# Altium PCB V5_CORE_V1.6.PcbDoc (part 2 of 3) (continued)
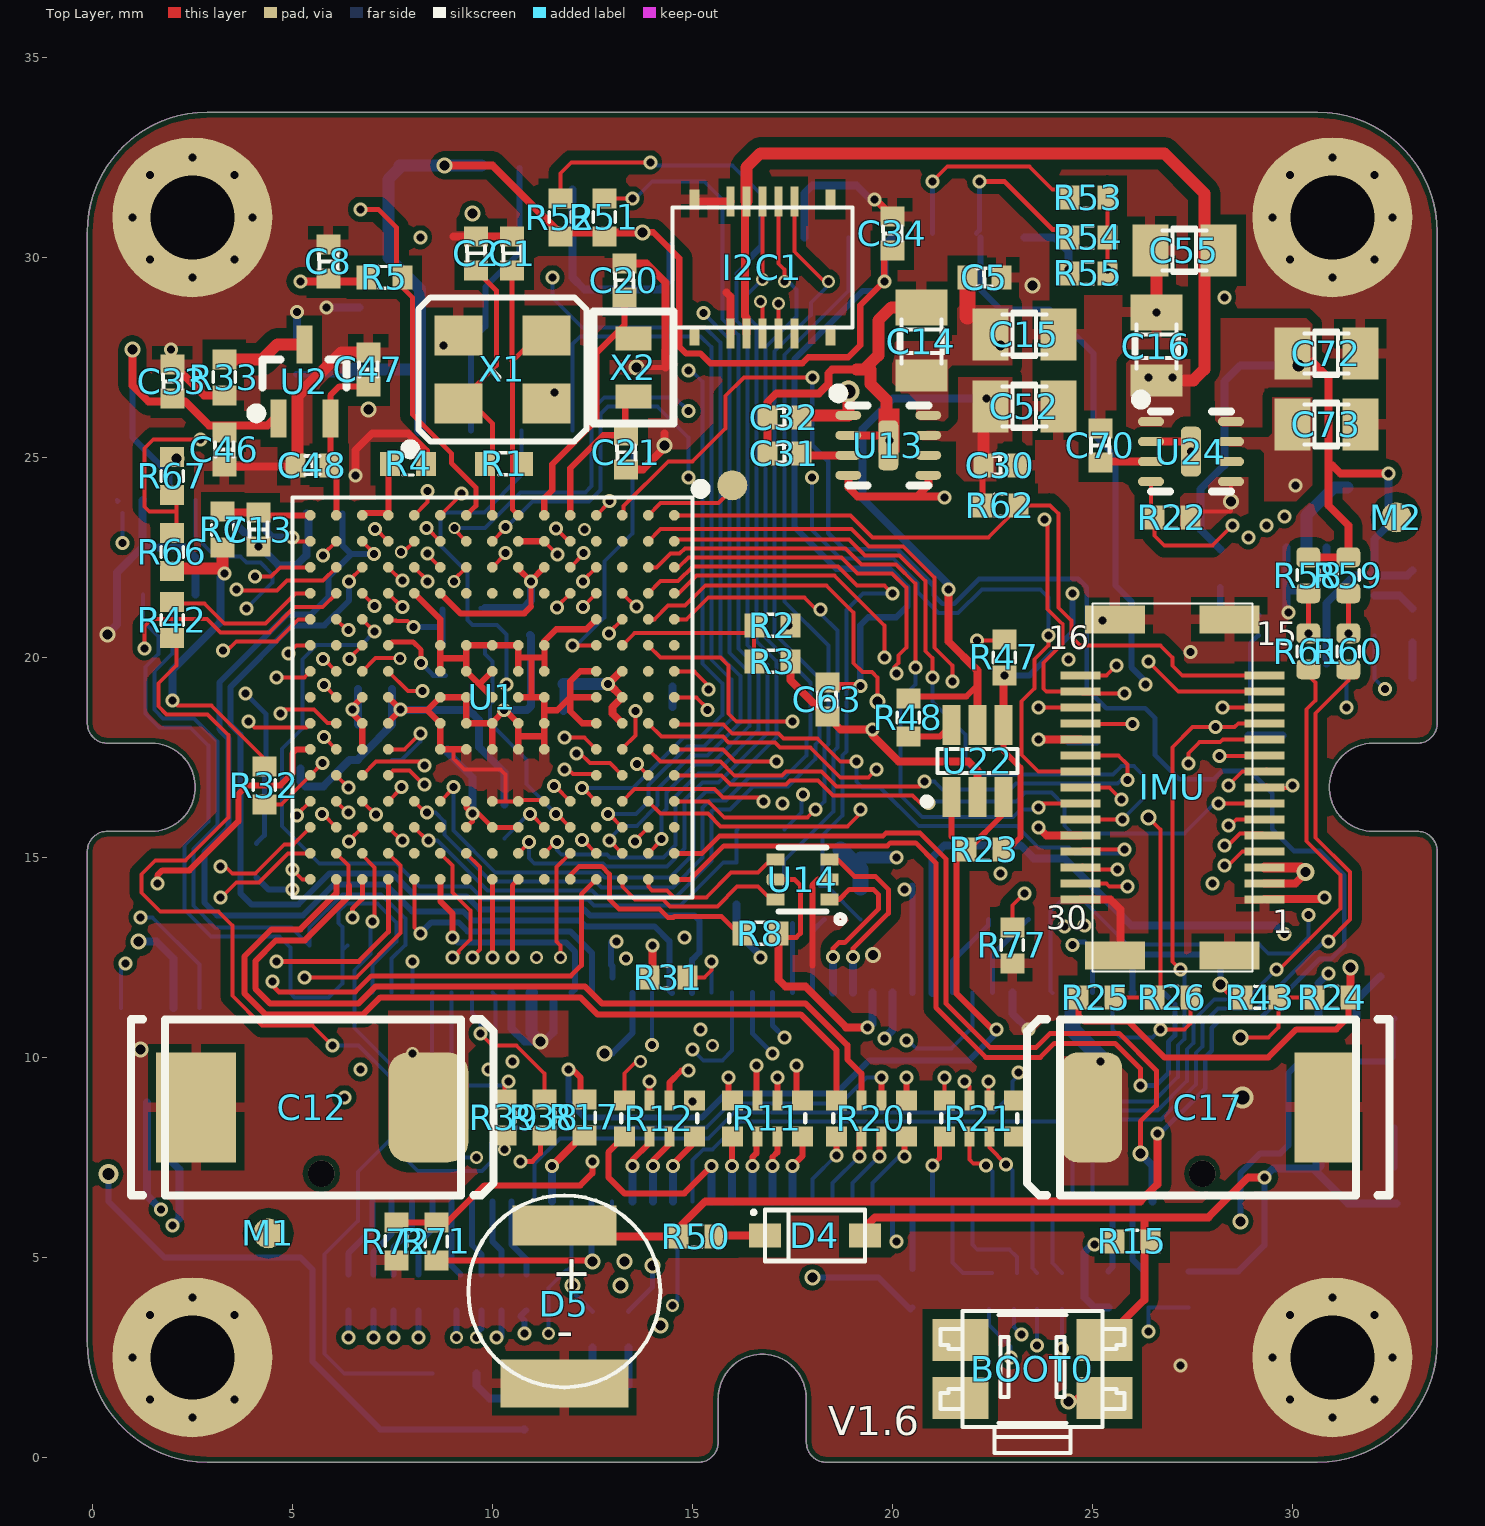
[diagram p0: Top Layer view]
## Nets (pads, with @x,y where several pads share a name; then routed paths per layer and width w, separated by ;. In a path a pad name is that pad's centre, name@x,y a point inside that pad or via, vN(x,y) a via of type N, cw(c..) or ccw(c..) an arc to the next point about the centre after c; other vN are vias at no path point) (continued)
  S2 w0.1: v3(16.7,28.9) 16.1,28.3 16.1,22.3 17,21.4 18,21.4 v1(18.2,21.2)
  Bottom Layer w0.1: R44.1@17.298,14.286 17.298,14.913 18.525,16.141 18.525,17.162 18.525,17.638 18.626,17.739 18.626,20.674 18.2,21.1 v1(18.2,21.2)
I2C1_SDA: I2C1.4 R30.1 R37.1 U1.B4 | length 27.9
  Top Layer w0.1: U1.B4@13.9,21.6 14.21,21.91 14.648,21.91 15.013,22.275 18.643,22.275 19.118,21.8 19.8,21.8 v1(20,21.6) ; v3@17.1,28.9 v3(17.15,28.85) I2C1.4@17.15,28.1
  S2 w0.1: v3(17.15,28.85) 17.127,28.85 16.4,28.123 16.4,22.318 17.093,21.625 19.975,21.625 v1(20,21.6)
  Bottom Layer w0.1: R37.1@18.198,14.286 18.364,14.286 R30.1@19.2,13.45 ; R37.1@18.25,14.4 18.25,15.547 18.75,16.047 18.75,17.255 18.75,17.545 18.851,17.646 18.851,21.18 19.271,21.6 v1(20,21.6)
I2C2_SCL: R15.1 R57.1 U1.H3 U4.1 | length 63.3
  Top Layer w0.1: U1.H3@10,22.25 v1@10.333,22.583 ; v1(25.05,5.325) 25.475,5.325 R15.1@25.55,5.4
  S2 w0.1: v1(10.333,22.602) 10.123,22.602 9.85,22.875 9.85,23.371 10.25,23.771 10.25,28.532 10.643,28.925 11.875,28.925 12.7,29.75 15.04,29.75 16.09,30.8 23.45,30.8 23.675,30.575 26.725,30.575 v1(28.3,29) 29.1,28.2 30.7,28.2 31.375,27.525 31.375,24.607 32.087,23.894 32.087,19.487 v1(31.35,18.75) 31.2,18.6 29.082,18.6 28.625,18.143 28.625,17.07 29.1,16.595 29.1,13.443 27.775,12.118 27.775,11.962 27.101,11.287 25.287,11.287 23.95,9.95 23.95,5.575 24.175,5.35 25.025,5.35 v1(25.05,5.325)
  Bottom Layer w0.1: v1(31.35,18.75) U4.1@31.35,19.55
  Bottom Layer w0.2: v1(25.05,5.325) 25,5.325 24.8,5.125 24.8,4 25.05,3.75 R57.1@25.4,3.75
I2C2_SDA: R16.1 R28.1 U1.E2 U4.16 | length 70.5
  Top Layer w0.1: v1(11.59,23.225) 11.915,22.9 U1.E2@11.95,22.9
  S2 w0.1: v1(11.59,23.225) 10.825,23.225 10.7,23.1 10.7,22.4 10.5,22.2 10,22.2 9.625,22.575 9.625,23.465 10.025,23.864 10.025,28.625 10.55,29.15 11.782,29.15 12.607,29.975 14.947,29.975 15.997,31.025 23.543,31.025 23.768,30.8 27.118,30.8 29.293,28.625 29.493,28.425 30.793,28.425 31.6,27.618 31.6,24.7 32.313,23.987 v1(32.313,19.213) 31.4,18.3 29.1,18.3 28.85,18.05 28.85,17.163 29.325,16.688 29.325,13.35 28.575,12.6 28.575,11.725 29.2,11.1 30.9,11.1 31.325,10.675 31.325,5.307 31.093,5.075 28.675,5.075 26.75,3.15 v1(26.4,3.15)
  Bottom Layer w0.1: v1(26.4,3.15) R28.1@26.4,3.75 R16.1@27.4,3.75 ; U4.16@32.05,20.55 32.05,19.475 v1(32.313,19.213)
I2C3_SCL: R58.1 R61.1 U1.N12 | length 33.8
  Top Layer w0.1: U1.N12@6.75,16.4 7.083,16.067 7.087,16.071 v1(7.098,16.071) ; R61.1@30.325,20.525 v1(30.4,20.6)
  Top Layer w0.125: v1(30.4,20.6) R58.1@30.4,21.6
  S2 w0.1: v1(7.098,16.071) 7.098,16.063 6.8,15.765 6.8,14.764 7.431,14.133 11.39,14.133 11.545,13.977 17.405,13.977 17.757,13.625 23.32,13.625 23.545,13.85 24.745,13.85 25.15,13.445 25.15,13.432 25.507,13.075 26.33,13.075 27.05,13.795 27.05,14.373 27.05,17.495 27.425,17.87 27.425,18.857 28.081,19.513 30.094,19.513 30.375,19.793 30.375,20.575 v1(30.4,20.6)
I2C3_SDA: R59.1 R60.1 U1.M12 | length 34.6
  Top Layer w0.1: U1.M12@7.4,16.4 v1@7.733,16.733
  Top Layer w0.125: v1(31.4,20.6) R59.1@31.4,21.6
  S2 w0.1: v1(7.733,16.752) 8.017,16.467 8.512,16.467 8.8,16.18 8.8,15.125 9.117,14.808 11.669,14.808 11.825,14.652 17.748,14.652 18.1,14.3 19.8,14.3 20.05,14.55 20.55,14.55 21,14.1 22.695,14.1 23.145,14.55 24.363,14.55 25.613,13.3 26.236,13.3 26.825,13.889 26.825,14.28 26.825,17.588 27.2,17.963 27.2,18.95 27.988,19.738 29.813,19.738 29.95,19.875 29.95,20.68 30.395,21.125 31.1,21.125 31.4,20.825 v1(31.4,20.6)
I2C4_SCL: R24.1 R43.1 U1.R7 | length 54.1
  Top Layer w0.1: v1(4.6,19.5) 5.3,19.5 U1.R7@5.45,19.65 ; v2(28.7,10.5) 29.4,10.5 29.65,10.75 R43.1@29.65,11.3 ; R43.1@29.65,11.5 R24.1@30.55,11.5
  S1 w0.1: v1(4.6,19.5) 3.7,19.5 3.475,19.275 3.475,15.725 3.8,15.4 3.8,14.105 3.345,13.65 3.342,13.65 3.125,13.433 3.125,7.921 3.737,7.308 3.737,6.208 5.163,4.783 5.163,2.583 5.833,1.913 11.258,1.913 12.5,3.154 12.5,4.37 13.03,4.9 v2(13.3,4.9)
  S2 w0.1: v2(13.3,4.9) 13.3,5.4 13.7,5.8 23.3,5.8 24.2,4.9 25.346,4.9 26.646,6.2 28.2,6.2 28.4,6.4 28.4,8.3 28.2,8.5 28.2,10 v2(28.7,10.5)
I2C4_SDA: R25.1 R26.1 U1.P7 | length 34
  Top Layer w0.1: v1@5.748,19.983 5.767,19.983 U1.P7@6.1,19.65 ; R25.1@25.55,11.5 R26.1@26.55,11.5 ; v2(26.4,16) 26.7,15.7 26.7,11.45 R26.1@26.55,11.3
  S2 w0.1: v1(5.773,19.958) 6.33,19.4 6.8,19.4 7,19.2 7,18.3 7.6,17.7 9.1,17.7 9.3,17.5 9.6,17.5 10,17.1 10,15.4 10.367,15.033 11.762,15.033 11.918,14.877 14.677,14.877 14.8,15 19.5,15 19.85,15.35 20.245,15.35 20.595,15 24.231,15 25.631,13.6 26.218,13.6 26.6,13.982 26.6,15.8 v2(26.4,16)
I2C_2_SCL: R57.2 U$9001.6 | length 1.8
  Bottom Layer w0.15: R57.2@25.4,4.65 25.502,4.752 U$9001.6@25.502,6.392
I2C_2_SDA: R28.2 U$9001.4 | length 1.9
  Bottom Layer w0.15: U$9001.4@26.002,6.392 26.002,4.948 R28.2@26.3,4.65
I2C_3_SCL: R61.2 U$9001.10 | length 17.9
  Top Layer w0.1: v1(29.6,12.2) 29.675,12.2 30.375,12.9 31.2,13.725 31.2,14.557 30.35,15.407 30.35,18.693 30.575,18.918 30.575,19.375 R61.2@30.325,19.625
  Bottom Layer w0.1: U$9001.10@24.507,6.4 24.507,8.025 25.157,8.675 26.629,8.675 27.363,9.408 27.363,10.196 27.525,10.358 27.525,10.925 28.05,11.45 28.85,11.45 v1(29.6,12.2)
I2C_3_SDA: R60.2 U$9001.8 | length 18.4
  Top Layer w0.1: v1(30.9,12.9) 31.446,13.446 31.446,14.629 30.575,15.5 30.575,18.6 31.4,19.425 R60.2@31.4,19.7 R60.2@31.6,19.5
  Bottom Layer w0.1: U$9001.8@25.007,6.4 25.007,8.207 25.25,8.45 26.722,8.45 27.588,9.315 27.588,10.103 27.75,10.265 27.75,10.832 28.143,11.225 29.12,11.225 30.795,12.9 v1(30.9,12.9)
I2C_4_SCL: R26.2 U$9001.5 | length 3.5
  Top Layer w0.1: v1(26.7,10.7) 27.3,10.7 27.45,10.85 R26.2@27.45,11.3
  Bottom Layer w0.1: U$9001.5@25.502,11.608 25.502,10.698 25.7,10.5 26.5,10.5 v1(26.7,10.7)
I2C_4_SDA: R43.2 U$9001.3 | length 4.4
  Top Layer w0.15: v2(28.2,11.825) R43.2@28.7,11.325
  Bottom Layer w0.15: U$9001.3@26.002,11.608 26.002,12.402 26.175,12.575 27.925,12.575 28.2,12.3 v2(28.2,11.825)
  Bottom Layer w0.2: U$9001.3@26.007,11.608 U$9001.3@26.007,11.616
I2C_SCL1_GPS: R44.2 U$9001.37 | length 1.7
  Bottom Layer w0.125: U$9001.37@17.507,11.616 R44.2@17.507,13.343
I2C_SDA1_GPS: R37.2 U$9001.35 | length 2
  Bottom Layer w0.125: U$9001.35@18.007,11.616 18.007,13.157 R37.2@18.3,13.45
IMU_3V3: C69.1 C72.1 R56.1 R58.2 R59.2 U4.2 U4.13 U24.8 | length 21.6
  Top Layer w0.2: C72.1@30.2,27.4 30.5,27.4 30.9,27 30.9,24.7 ; R58.2@30.4,22.5 R59.2@31.4,22.5 31.4,23.3 30.9,23.8 30.9,24.7 ; v1(32.4,24.6) 31.2,24.6 31,24.8 30.9,24.7
  Bottom Layer w0.2: R56.1@28.2,22.7 27.7,23.2 27.7,24.2 28.3,24.8 28.3,26.895 28.705,27.3 v4(30.15,27.3) ; U4.2@30.85,19.85 30.85,21.35 31.55,22.05 U4.13@32.05,22.05 ; v1(32.4,24.6) 32.4,23.3 32.05,22.95 U4.13@32.05,22.05 ; C69.1@33,22.175 32.875,22.05 U4.13@32.05,22.05
IO1_3V3: C30.1 C52.1 R48.1 R62.2 U13.7 U22.5 | length 16.3
  Top Layer w0.15: R48.1@20.4,18.975 20.45,19.025 21.856,19.025 22.131,19.3 ; R62.2@22.25,23.8 22.25,24.775 C30.1@22.275,24.8
  Top Layer w0.2: v1(21.4,21.7) 21.4,20.4 22.131,19.669 U22.5@22.131,18.308
  Top Layer w0.3: C30.1@22.275,24.8 C52.1@22.275,26.19
  Bottom Layer w0.2: v1(21.4,21.7) 21.4,21.825 19.25,23.975 19.25,25.701 20.024,26.475 v1(22.35,26.475)
IO-USART1_TX: R12.5 U$9001.46 | length 5
  Top Layer w0.15: R12.5@13.3,8.025 12.9,7.625 12.9,7 13.3,6.6 14.801,6.6 v1(15.487,7.286)
  Bottom Layer w0.2: U$9001.46@15.487,6.4 v1@15.487,7.186
MCU_3V3: BOOT0.A2 C5.2 C6.2 C7.2 C8.2 C9.2 C10.2 C11.2 C14.1 C15.1 C22.1 D4.A R2.2 R5.2 R7.2 R15.2 R16.2 R22.1 R24.2 R25.2 R29.2 R30.2 R31.2 R32.2 R66.2 R68.2 R75.2 R76.2 U1.C5 U1.C7 U1.C8 U1.C9 U1.F3 U1.G3 U1.G13 U1.H13 U1.J12 U1.J13 U1.K4 U1.N8 U1.N9 U1.N10 U5.6 U13.8 U24.5 | length 134.4
  Top Layer w0.1: v1(2,18.925) 2.125,18.8 2.975,18.8 4.3,17.475 R32.2@4.3,17.275 ; v1@6.425,18.675 6.45,18.7 v1(6.5,18.7) ; v1(10.967,21.898) v1@10.967,21.917 ; v1(12.898,19.333) v1@12.917,19.333 ; v1(12.917,20.598) 12.917,20.617 U1.C5@13.25,20.95 ; R22.1@27.45,23.5 27.6,23.65 28.45,23.65 28.467,23.667 v2(28.467,23.9) U24.5@28.467,24.392
  Top Layer w0.125: U1.J13@9.35,15.75 9.5,15.9 v1(9.5,16.1) 9.65,16.1 U1.H13@10,15.75 U1.G13@10.65,15.75 ; v1(10.967,21.898) 10.973,21.893 10.973,21.273 ; U1.C9@13.213,18.387 U1.C9@13.25,18.35
  Top Layer w0.15: U1.K4@8.7,21.6 9.2,21.1 10.8,21.1 10.973,21.273 ; U1.J12@9.35,16.4 9.35,16.25 v1(9.5,16.1) ; U1.G3@10.65,22.215 v1(10.967,21.898) ; v1@10.967,21.917 U1.F3@11.3,22.25 ; R25.2@24.65,11.5 24.65,11.05 24.8,10.9 25.9,10.9 26.8,10 29.4,10 30.1,10.7 31.1,10.7 31.4,11 31.4,11.45 R24.2@31.45,11.5
  Top Layer w0.154: v1@6.425,18.675 U1.N9@6.75,18.35 U1.N10@6.75,17.7 ; v1@6.45,18.7 U1.N8@6.75,19
  Top Layer w0.2: v1(5.2,29.4) 6.65,29.4 R5.2@6.75,29.5 ; v1(12.898,19.333) 13.215,19.65 U1.C7@13.25,19.65 ; v1@12.917,19.333 U1.C8@13.25,19 13,18.75 13,18.6 U1.C9@13.213,18.387 ; R31.2@13.875,11.85 14,11.975 v1(14,12.8) ; D4.A@19.114,5.542 19.572,6 26.3,6 ; BOOT0.A2@25.301,2.938 26.3,3.937 26.3,6 ; v1(29.3,7) 28.9,7 27.9,6 26.3,6 ; R24.2@31.45,11.5 v2(31.45,12.25)
  Top Layer w0.3: R66.2@2.1,22.225 3.175,22.225 v1(3.3,22.1) ; v1@3.262,22.238 R7.2@3.262,22.74
  Top Layer w0.4: 21.875,28.525 C5.2@21.875,29.5
  S2 w0.3: v1(12.898,19.333) 12.898,20.578 v1(12.917,20.598)
  S2 w0.4: v1(12.917,20.598) 13.63,20.598 13.808,20.775 17.375,20.775 v1(17.4,20.8) 17.9,20.3 19,20.3 19.5,20.8 21.6,20.8 23.5,22.7 25.4,22.7 26.6,23.9 ; v2(22.7,27.8) 24.4,27.8 26.6,25.6 26.6,23.9 ; v2(28.467,23.9) 26.6,23.9
  POWER w0.2: 4.7,25.1 4.7,29 5.1,29.4 v1(5.2,29.4) ; v2@28.467,23.8 v2(28.467,23.9) 28.467,24.367 28.8,24.7 30.7,24.7 31.2,24.2 31.2,22.5 30.6,21.9 29.4,21.9 29.2,21.7 29.2,16 29.5,15.7 30.7,15.7 31.4,15 31.4,11.5 31.2,11.3 29.6,11.3 29.3,11 v1(29.3,7)
  POWER w0.3: v1(14,12.8) 14,13.387 14.224,13.611 15.008,13.611 15.547,14.15 17.95,14.15 18.85,15.05 18.85,15.814 18.75,15.914 18.75,16.486 18.4,16.836 18.4,20.075 17.675,20.8 v1(17.4,20.8) ; 18.925,15.1 19.9,15.1 20.095,14.905 20.1,14.911 v1(20.1,15)
  Bottom Layer w0.1: R68.2@9.7,21.225 R68.2@9.7,21.236
  Bottom Layer w0.15: R16.2@27.4,4.65 28.65,4.65 29.3,5.3 v1(29.3,7)
  Bottom Layer w0.2: v1(2,18.925) 2,19.675 3.2,20.875 3.2,22 v1(3.3,22.1) ; C11.2@6.647,18.318 C7.2@6.647,19.207 ; C9.2@8.875,17.7 8.875,17.625 9.5,17 v1(9.5,16.1) ; R68.2@9.823,21.236 10.786,21.236 10.967,21.417 v1(10.967,21.898) ; C10.2@11.782,18.657 C6.2@11.782,19.333 ; v1(29.3,7) 29.525,7.225 C22.1@30.5,7.225 30.518,7.225 31.393,6.35 R76.2@32.6,6.35
  Bottom Layer w0.3: C6.2@11.782,19.333 v1(12.898,19.333) ; 19.05,14.85 19.1,14.9 19.105,14.895 19.211,15 v1(20.1,15) ; C22.1@30.65,7.3 U5.6@30.65,8.425
  Bottom Layer w0.4: R29.2@18.7,15.2 19.05,14.85 19.2,14.7 R30.2@19.2,14.25
NetC1_2: C1.2 R1.2 U1.G1 X1.3 | length 7.4
  Top Layer w0.125: C1.2@10.496,29.675 10.496,27.404 10.5,27.4 ; U1.G1@10.65,23.55 10.5,23.7 10.5,27.4 ; X1.3@11.525,27.925 11.025,27.925 10.5,27.4
NetC2_2: C2.2 R1.1 U1.H1 X1.1 | length 7.2
  Top Layer w0.125: X1.1@9.15,26.35 X1.1@9.325,26.525 ; C2.2@9.596,29.675 10.1,29.171 10.1,27.3 X1.1@9.325,26.525 ; U1.H1@10,23.55 10,25.85 X1.1@9.325,26.525
NetC3_1: C3.1 U1.M10 | length 2.1
  Top Layer w0.1: U1.M10@7.4,17.7 7.8,17.7 v1(8.2,18.1)
  Bottom Layer w0.1: C3.1@7.497,17.429 7.729,17.429 8.2,17.9 v1(8.2,18.1)
NetC4_1: C4.1 U1.F13 | length 1.4
  Top Layer w0.1: v1(10.948,16.083) 10.967,16.083 U1.F13@11.3,15.75
  Bottom Layer w0.1: C4.1@10.3,15.475 10.908,16.083 v1(10.948,16.083)
NetC18_2: C18.2 U4.14 | length 1.1
  Bottom Layer w0.2: U4.14@32.05,21.55 32.675,21.55 C18.2@33,21.225
NetC19_1: C19.1 U4.10 | length 2.1
  Bottom Layer w0.3: U4.10@30.35,22.75 30.35,23.55 31.05,24.25 C19.1@31.375,24.25
NetC31_1: C31.1 U13.3 | length 1.1
  Top Layer w0.2: C31.1@17.775,25.05 U13.3@18.9,25.05
NetC70_1: C70.1 U24.3 | length 1.2
  Top Layer w0.2: C70.1@25.217,24.892 U24.3@26.467,24.892
NetD1_2: D1.2 R40.2 | length 2.4
  Bottom Layer w0.2: D1.2@10.7,2.1 10.725,2.075 12.275,2.075 12.5,2.3 R40.2@12.5,2.75
NetD2_2: D2.2 R41.2 | length 5.3
  Bottom Layer w0.2: D2.2@9.6,2.1 9.6,1.8 9.925,1.475 13.075,1.475 13.4,1.8 R41.2@13.4,2.75
NetD3_2: D3.2 R42.2 | length 28.8
  Top Layer w0.1: R42.2@2.1,20.45 2.1,19.8 1.65,19.35 1.65,18.78 1.855,18.575 2.882,18.575 3.4,18.057 3.4,16 2.325,14.925 1.575,14.925 1.225,14.575 1.225,14.125 1.7,13.65 3.15,13.65 3.5,13.3 3.5,11.546 4.246,10.8 5.5,10.8 v1(6,10.3)
  Bottom Layer w0.1: v1(6,10.3) 6.662,10.3 7.45,9.512 7.45,8.95 7.447,8.947 7.45,8.945 7.45,7.95 6.638,7.137 6.638,5.902 5.8,5.064 5.8,2.6 6.3,2.1 D3.2@8.4,2.1 D3.2@8.5,2.1
NetD4_K: D4.K R50.2 | length 0.8
  Top Layer w0.2: 15.8,5.542 D4.K@16.614,5.542
NetR33_2: R33.2 U2.3 | length 2.1
  Top Layer w0.3: R33.2@3.4,27.45 4.25,27.45 4.625,27.825 U2.3@5.3,27.825
NetR49_2: R49.2 U3.3 U3.7 | length 7.1
  Bottom Layer w0.15: U3.7@9.465,25.675 9.465,27.915 9.825,28.275 9.825,29.256 10.675,30.106 R49.2@10.675,32.236
NetR76_1: R76.1 U5.4 | length 1
  Bottom Layer w0.15: R76.1@32.55,7.25 U5.4@32.55,8.25
NPOWER_IN_A: U1.M7 U$9001.55 | length 11
  Top Layer w0.1: U1.M7@7.4,19.65 7.899,19.151 v1(8.25,19.151)
  S1 w0.1: v1@8.25,19.2 v1(8.25,19.151) 8.25,18.931 9.923,17.259 9.923,14.841 10.639,14.125 11.875,14.125 v1(13.1,12.9)
  Bottom Layer w0.15: U$9001.55@13.001,12.001 13.001,12.279 12.968,12.312 12.968,12.867 v1@13.001,12.9
NPOWER_IN_B: U1.L15 U$9001.57 | length 7.1
  Top Layer w0.1: U1.L15@8.05,14.45 8.05,13.25 v1(8.2,13.1)
  Bottom Layer w0.15: v1(8.2,13.1) 8.475,13.375 9.155,13.375 9.38,13.15 11.952,13.15 12.49,12.612 U$9001.57@12.49,11.616
NPOWER_IN_C: U1.K15 U$9001.59 | length 5.8
  Top Layer w0.15: U1.K15@8.7,14.45 8.7,13.9 9,13.6 v1(9,13)
  Bottom Layer w0.15: v1(9,13) 9.125,12.875 11.838,12.875 12.062,12.65 12.062,11.697 U$9001.59@11.982,11.616
NRST: R5.1 U1.J1 U5.1 U$9001.7 | length 66.7
  Top Layer w0.125: v1(6.7,31.2) 7.15,31.2 7.6,30.75 7.6,29.4 8,29 8,26.075 8.975,25.1 8.975,24.857 9.588,24.245 9.588,23.788 U1.J1@9.35,23.55
  S1 w0.125: v1(6.7,31.2) 6.825,31.2 7.375,30.65 7.375,26.425 7.7,26.1 13.6,26.1 14.05,26.55 15.213,26.55 15.75,26.013 21.887,26.013 22.634,25.266 26.337,25.266 27.003,24.6 28.986,24.6 29.136,24.6 29.8,23.936 v1(29.8,23.525) ; v1@24.413,12.862 24.426,12.876 v1@24.501,12.876
  S1 w0.2: v1(24.501,12.801) 24.501,12.199 25.3,11.4 30,11.4 30.7,12.1 v1(30.9,12.1)
  POWER w0.125: v1(24.501,12.801) 24.464,12.838 24.012,12.838 23.825,13.025 23.825,13.525 24.237,13.937 24.237,18.127 24.014,18.35 23.475,18.35 23.25,18.575 23.25,18.95 23.65,19.35 24.85,19.35 25.075,19.575 25.075,20.25 25.35,20.525 25.818,20.525 26.2,20.907 26.2,22.071 26.666,22.538 29.55,22.538 29.8,22.787 v1(29.8,23.525)
  Bottom Layer w0.125: v1@24.501,12.876 24.824,12.876 25.007,12.693 U$9001.7@25.007,11.616
  Bottom Layer w0.2: U5.1@30.65,10.975 30.65,11.85 v1(30.9,12.1)
NSAFETY_SWITCH_LED: U1.R10 U$9001.28 | length 39.6
  Top Layer w0.15: v1(1.625,14.35) 1.625,14.546 1.754,14.675 2.429,14.675 3.65,15.896 3.65,16.575 3.875,16.8 4.7,16.8 5,17.1 5,17.6 5.1,17.7 U1.R10@5.45,17.7
  S1 w0.15: v1(1.625,14.35) 2.1,13.875 2.1,7.602 2.712,6.99 2.712,5.89 4.212,4.39 4.212,2.098 5.398,0.912 11.666,0.912 13.066,2.312 14.502,2.312 15.388,3.198 15.388,4.888 15.9,5.4 v1(20.1,5.4)
  Bottom Layer w0.125: U$9001.28@20.002,6.392 20.002,5.498 v1(20.1,5.4) ; U$9001.28@20.007,6.4 U$9001.28@20.009,6.399
NSPI5_RESET_EXTERNAL1: U1.R12 U$9001.60 | length 23.4
  Top Layer w0.1: v1(5.117,16.048) 5.117,16.067 U1.R12@5.45,16.4
  S1 w0.1: v1(5.117,16.048) 5.7,15.465 5.7,11.484 5.075,10.859 5.075,8.813 7.788,6.1 10.1,6.1 10.45,5.75 10.45,2.45 10.6,2.3 11.1,2.3 11.4,2.6 v3(11.4,3.1)
  Bottom Layer w0.1: v3(11.4,3.1) 11.4,4.23 11.845,4.675 11.875,4.675 11.977,4.777 U$9001.60@11.977,6.392
NVDD_5V_HIPOWER_EN: U1.P6
NVDD_5V_HIPOWER_OC: R31.1 U1.N6 U$9001.45 | length 16.7
  Top Layer w0.1: v1@6.439,19.989 U1.N6@6.75,20.3 ; R31.1@14.875,12 15.3,12 15.487,12.187 v1(15.487,12.4)
  S1 w0.1: v1(6.425,19.951) 7.189,19.951 7.563,20.325 8.475,20.325 9.3,19.5 9.3,18.6 10.373,17.527 10.373,15.027 10.825,14.575 12.457,14.575 13.532,13.5 14,13.5 14.35,13.15 14.35,12.945 14.895,12.4 v1(15.487,12.4)
  Bottom Layer w0.1: U$9001.45@15.487,11.616 v1(15.487,12.4)
NVDD_5V_PERIPH_EN: U1.K14 U$9001.27 | length 28.5
  Top Layer w0.1: U1.K14@8.7,15.1 9.01,14.79 9.01,14.115 9.45,13.675 9.45,12.945 9.15,12.645 9.15,12.605
  S2 w0.1: v1(9,12.5) 9,12.037 8.8,11.837 7.348,11.837 6.863,11.352 6.863,10.487 5.95,9.575 5.95,8.65 6.2,8.4 6.2,7.5 6.85,6.85 12.575,6.85 12.925,7.2 12.925,7.725 13.4,8.2 15.4,8.2 16.25,9.05 16.25,10.65 16.537,10.937 17.888,10.937 18.525,10.3 19.625,10.3 v1(19.8,10.475)
  Bottom Layer w0.2: v1(19.8,10.475) 20.007,10.682 U$9001.27@20.007,11.616
NVDD_5V_PERIPH_OC: R32.1 U1.R11 U$9001.43 | length 18.1
  Top Layer w0.1: R32.1@4.3,16.325 4.725,16.325 U1.R11@5.45,17.05 v1(5.761,17.361)
  S1 w0.1: v1(5.761,17.361) 5.772,17.35 6.432,17.35 8.014,15.767 8.547,15.767 9.15,15.165 9.15,14.514 10.214,13.45 11.545,13.45 12.262,12.733 12.262,12.201 12.797,11.667 14.151,11.667 14.6,11.218 14.6,10.4 14.858,10.142 15.044,10.142 15,10.186 v1(15,10.2)
  Bottom Layer w0.1: v1(15,10.2) 15.275,9.925 15.75,9.925 15.995,10.17 U$9001.43@15.995,11.616
OTG_FS_DM: U1.C15 U14.6 | length 4.6
  Top Layer w0.1: U1.C15@13.25,14.45 13.25,14.265 13.565,13.95 14.273,13.95 14.448,13.775 15.626,13.775 16.115,14.264 16.64,14.264 16.963,13.941 U14.6@17.085,13.941
OTG_FS_DP: U1.B15 U14.4 | length 3.9
  Top Layer w0.1: U1.B15@13.9,14.45 13.9,14.265 13.99,14.175 14.367,14.175 14.542,14 15.35,14 15.968,14.618 16.64,14.618 16.963,14.941 U14.4@17.085,14.941
OTG_N: U14.1 U$9001.33 | length 4.4
  Top Layer w0.125: U14.1@18.435,13.941 18.666,13.941 18.925,14.2 19.525,14.2 19.65,14.075 19.65,13.704 18.811,12.865 18.665,12.865 18.514,12.714 v1(18.514,12.502)
  S1 w0.1: v1@18.514,12.386 v1(18.514,12.502)
  Bottom Layer w0.2: U$9001.33@18.514,11.616 v1@18.514,12.402
OTG_P: U14.3 U$9001.31 | length 4.6
  Top Layer w0.125: U14.3@18.435,14.941 18.634,14.941 19.05,14.525 19.575,14.525 19.9,14.2 19.9,13.6 19.014,12.714 v1(19.014,12.502)
  Bottom Layer w0.2: U$9001.31@19.014,11.616 v1@19.014,12.402
PDR_ON: R2.1 R3.1 U1.C6 | length 4
  Top Layer w0.1: U1.C6@13.25,20.3 13.562,20.612 R2.1@16.507,20.612 ; R2.1@16.545,20.698 16.547,20.7 R3.1@16.547,20.042
RC_IN: R17.1 R23.2 U22.1 U22.3 | length 21.9
  Top Layer w0.15: v1(11.9,9.7) 12,9.7 12.2,9.5 R17.1@12.2,8.95 ; U22.1@21.481,16.508 21.481,15.519 21.6,15.4 21.6,11.6 22.5,10.7 v1(22.6,10.7) ; R23.2@21.6,15.2 R23.2@21.85,15.2 21.9,15.2 22.781,16.081 U22.3@22.781,16.508
  Bottom Layer w0.15: v1(11.9,9.7) 11.9,8.9 12.3,8.5 15.246,8.5 15.846,9.1 18.6,9.1 19.425,9.925 21.925,9.925 22.6,10.6 v1(22.6,10.7)
RC_IN_PORT: R17.2 U$9001.62 | length 1.8
  Top Layer w0.2: v1(11.499,7.286) 12.2,7.987 R17.2@12.2,8.05
  Bottom Layer w0.2: U$9001.62@11.499,6.4 v1@11.499,7.186
RED_LED: R42.1 U1.R4 | length 3.9
  Top Layer w0.1: R42.1@2.1,21.35 2.8,21.35 3.3,20.85 4.332,20.85 5.082,21.6 U1.R4@5.45,21.6
RSSI_IN: R65.2 U$9001.26 | length 1.7
  Bottom Layer w0.15: R65.2@20.507,4.707 U$9001.26@20.507,6.4
RSSI_IN_CHANNEL: R65.1 U1.R5 | length 39.7
  Top Layer w0.1: v1(3.274,20.174) 3.374,20.174 3.6,20.4 4.6,20.4 5.15,20.95 U1.R5@5.452,20.95
  S1 w0.1: v1(3.274,20.174) 3,19.9 3,18.779 3.2,18.579 3.2,15.27 3.55,14.92 3.55,14.63 3.345,14.425 3.13,14.425 2.85,14.145 2.85,7.886 2.9,7.836 2.9,7.828 3.512,7.215 3.512,6.115 4.7,4.928 4.938,4.69 4.938,2.398 5.648,1.688 11.352,1.688 13.2,3.536 v2(13.2,4.3)
  S2 w0.2: v2@13.2,4.336 17.836,4.336 v2(18,4.5)
  Bottom Layer w0.15: v2(18,4.5) 19.65,4.5 20.45,3.7 R65.1@20.5,3.75
SAFETY: R27.2 U$9001.17 | length 2.2
  Bottom Layer w0.125: U$9001.17@22.507,11.616 22.507,12.557 R27.2@23.4,13.45
SAFETY_SWITCH_IN: R27.1 R77.2 U1.R9 | length 26.1
  Top Layer w0.1: v1(3.9,18.4) 4.05,18.25 5.35,18.25 U1.R9@5.45,18.35 ; U1.R9@5.476,18.324 U1.R9@5.488,18.336 ; R77.2@23,13.25 23,13.8 v1(23.3,14.1)
  S2 w0.1: v1(3.9,18.4) 3.9,17.6 4.6,16.9 5.95,16.9 6.15,17.1 6.565,17.1 7.452,16.212 7.452,15.931 7.075,15.553 7.075,14.807 7.524,14.358 11.483,14.358 11.638,14.202 17.498,14.202 17.85,13.85 22.9,13.85 23.25,14.2 23.3,14.15 v1(23.3,14.1)
SBUSINV: R48.2 U22.6 | length 1.2
  Top Layer w0.15: R48.2@20.4,18.025 21.198,18.025 U22.6@21.481,18.308
SCALED_V5_CH_IN: R35.2 U$9001.75 | length 6.1
  S2 w0.125: v1(5,14.2) 7,14.2 7.6,13.6 7.6,12.7 7.9,12.4 v1(8,12.4)
  Bottom Layer w0.1: U$9001.75@7.994,11.616 8,11.622 v1(8,12.4)
  Bottom Layer w0.15: R35.2@4.1,14.5 4.4,14.2 v1(5,14.2)
SDIO1_CARD_DETECT: TF.10
SDMMC1_CK: TF.5 U1.A12 | length 19.3
  Top Layer w0.1: U1.A12@14.55,16.4 15.4,16.4 15.8,16 17.875,16 v1(18.075,16.2)
  Bottom Layer w0.1: v1(18.075,16.2) 18.1,16.2 18.3,16.4 18.3,17.069 18.3,17.731 18.401,17.832 18.401,20.294 17.3,21.395 17.3,27.556 18.9,29.156 TF.5@18.9,30.3 TF.5@18.9,30.5
SDMMC1_CMD: R53.2 TF.3 U1.D12 | length 29.5
  Top Layer w0.1: v1(12.248,16.733) 12.267,16.733 U1.D12@12.6,16.4 ; v1(21,31.9) 21.375,32.275 23.425,32.275 24,31.7 R53.2@24.425,31.7
  POWER w0.1: v1(14.9,27.175) 14.9,31.5 15.3,31.9 v1(21,31.9)
  Bottom Layer w0.1: v1(12.248,16.733) 13.518,16.733 14.785,18 15.195,18 15.75,18.555 15.75,19.345 15.25,19.845 15.25,20.096 15.25,21.504 15.25,26.006 15.251,26.296 15.25,26.9 14.975,27.175 v1(14.9,27.175)
  Bottom Layer w0.125: TF.3@21,30.6 v1(21,31.9)
SDMMC1_D0: R52.2 TF.7 U1.G14 | length 29.5
  Top Layer w0.1: U1.G14@10.65,15.1 10.933,15.383 v1(10.917,15.383) ; R52.2@11.7,31.475 11.7,32.1 11.975,32.375 v1(13.95,32.375)
  Bottom Layer w0.1: v1(10.917,15.383) 10.917,14.983 11.05,14.85 12.772,14.85 12.847,14.775 14.369,14.775 14.808,15.214 14.808,16.431 15.251,16.875 15.661,16.875 16.875,18.089 16.875,19.811 16.375,20.311 16.375,25.54 16.376,26.762 16.375,28.148 16.1,28.423 16.1,29.6 TF.7@16.5,30 ; v1(13.95,32.375) 13.95,32.35 14,32.3 16,32.3 16.7,31.6 TF.7@16.7,30.3 ; TF.7@16.5,30 16.5,30.1 TF.7@16.7,30.3 ; TF.7@16.5,30 16.7,30.2 TF.7@16.7,30.3
SDMMC1_D1: R51.2 TF.8 U1.F14 | length 24.8
  Top Layer w0.1: U1.F14@11.3,15.1 11.617,15.417 v1(11.617,15.383) ; R51.2@12.8,31.475 v1(13.5,31.475)
  Bottom Layer w0.1: v1(11.617,15.383) 11.617,15.183 11.725,15.075 12.865,15.075 12.94,15 14.275,15 14.583,15.307 14.583,16.525 15.158,17.1 15.568,17.1 16.65,18.182 16.65,19.718 16.15,20.218 16.15,25.633 ; v1(13.5,31.475) 13.575,31.475 14,31.9 15.3,31.9 15.75,31.45 15.75,28.455 16.15,28.055 16.15,26.67 ; 16.151,25.634 16.151,26.669
SDMMC1_D2: R55.2 TF.1 U1.B14 | length 27.4
  Top Layer w0.1: U1.B14@13.9,15.1 v1@14.233,15.433
  S1 w0.2: v1(15.275,28.601) 15.676,28.2 18.875,28.2 19.575,28.9 20.3,28.9 20.8,29.4 20.8,29.8 21.125,30.125 23.975,30.125 v1(24.4,29.7)
  Bottom Layer w0.1: v1(14.233,15.452) 14.233,16.083 14.358,16.208 14.358,16.618 15.065,17.325 15.474,17.325 16.425,18.276 16.425,19.625 15.925,20.125 15.925,25.726 ; v1(15.275,28.601) 15.285,28.601 15.925,27.961 15.925,26.577 ; 15.926,25.727 15.926,26.576
  Bottom Layer w0.2: TF.1@23.3,30.5 24.05,30.5 24.4,30.15 v1(24.4,29.7)